# Altium PCB GBA_V1.PcbDoc (part 2 of 4) (continued)
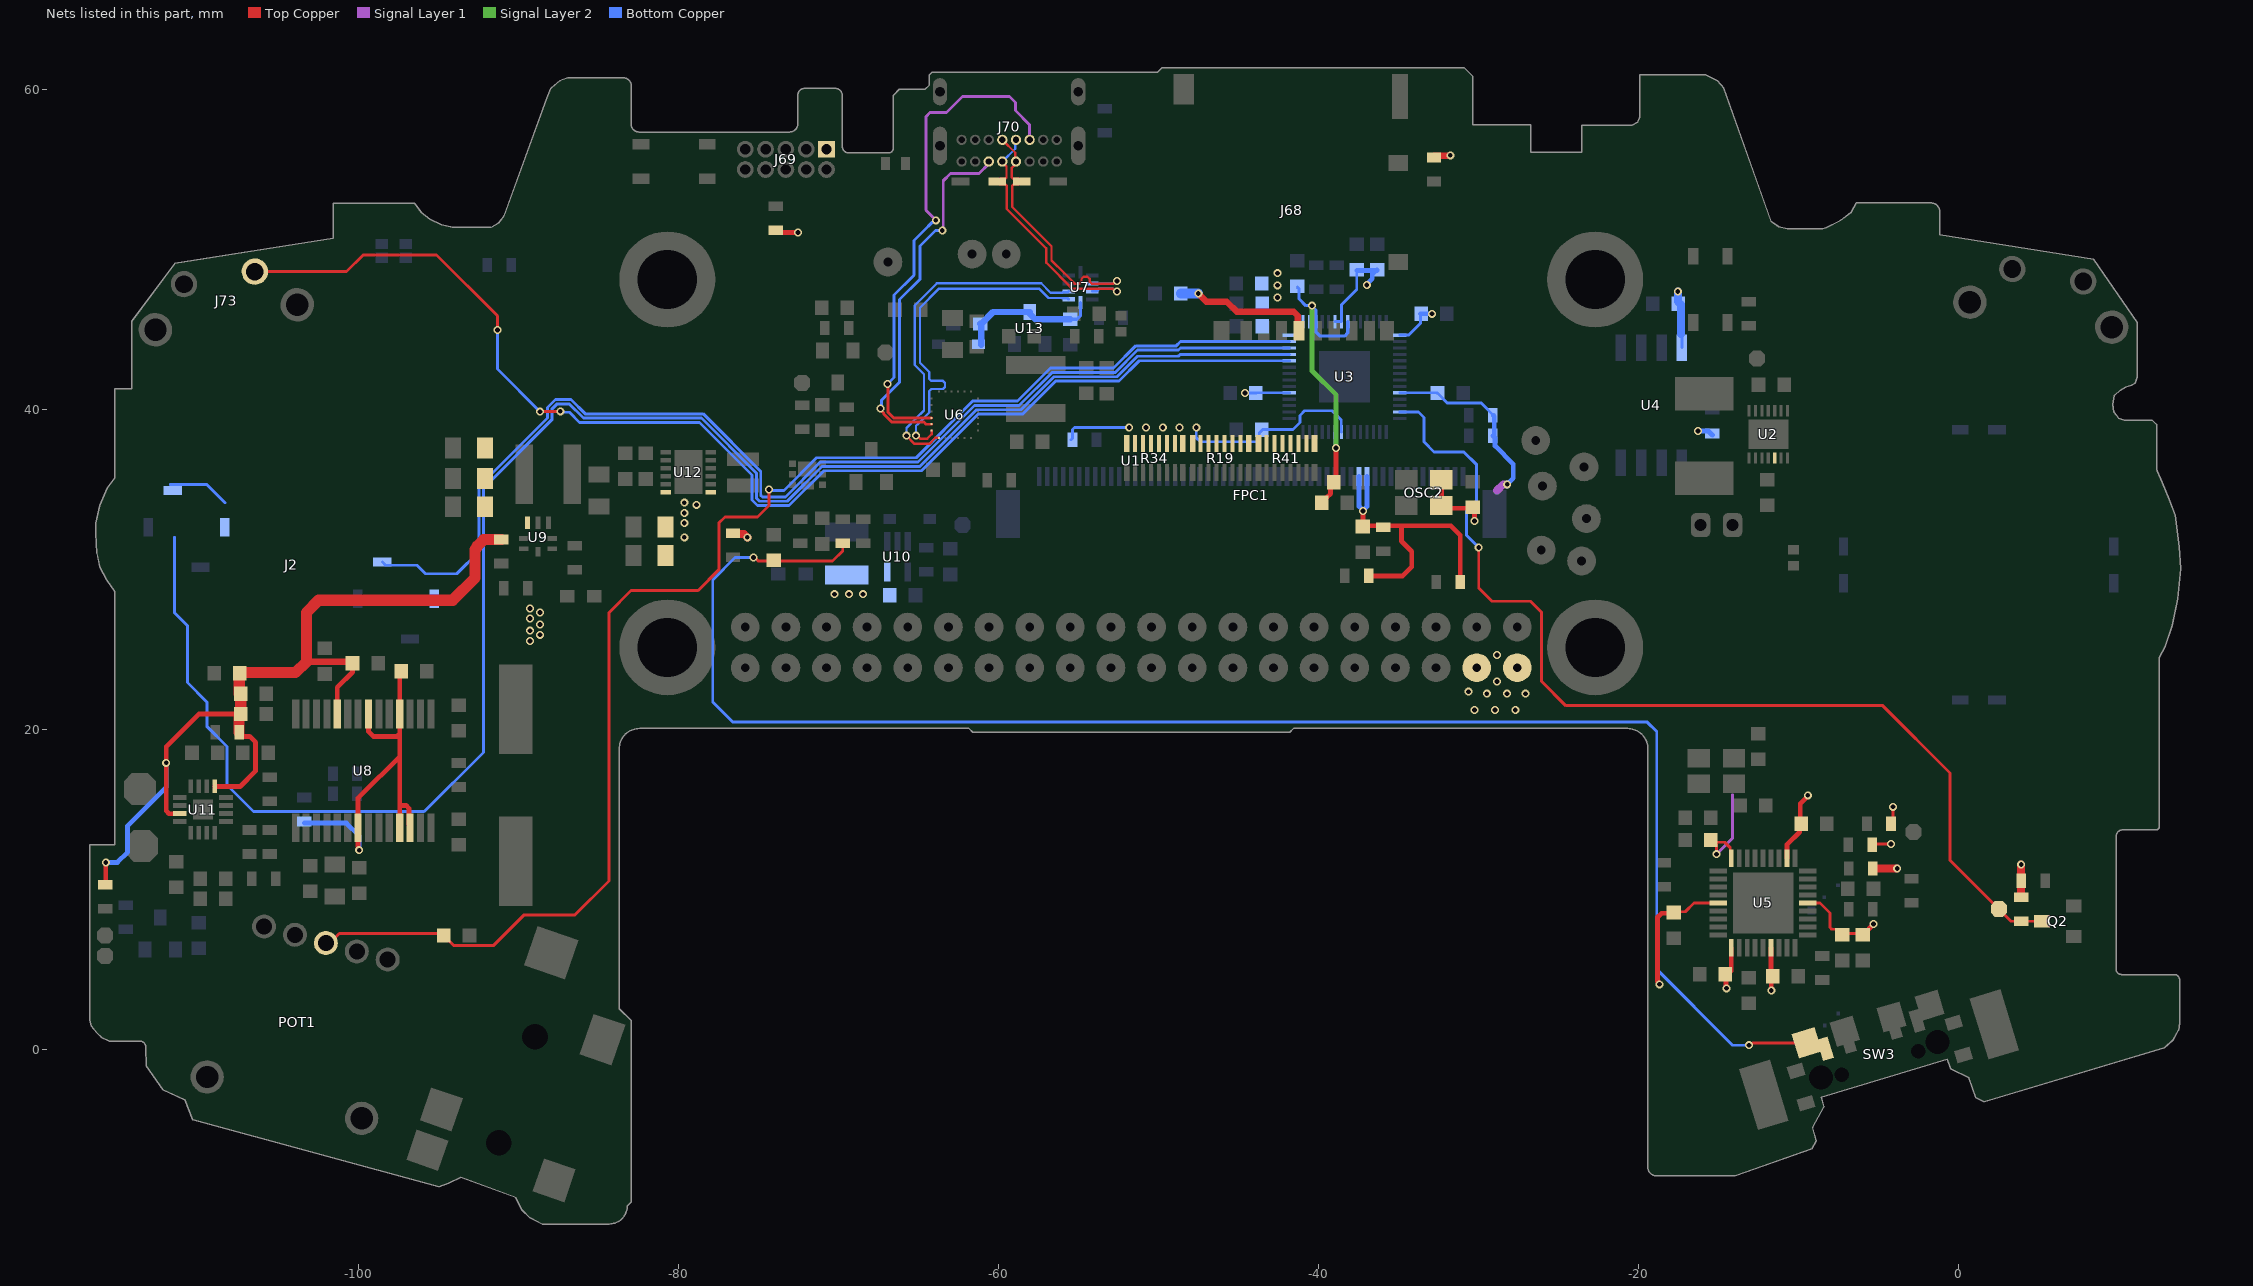
[diagram p4: the nets of this part, all layers, seen from the top]
## Part data (continued)
L5: library part CBC3225T100KR, "Fixed Inductors 1210 10uH 172.9mOhms +/-10% 900mA HiCur", Case Code (Imperial)=1210, Case Code (Metric)=3225, Current Rating=900mA, DC Resistance (DCR)=133mR, Inductance=10uH, Inductance Tolerance=10%, Manufacturer="Taiyo Yuden", Max Operating Temperature=105°C, Min Operating Temperature=-40°C, Package Quantity=1000, Self Resonant Frequency=23MHz, Supplier Part Number 1=963-CBC3225T100KR, Test Frequency=100kHz, Case/Package=1210, ComponentLink1Description=https://datasheet.ciiva.com/26871/getdatasheetpartid-637483-26871170.pdf?src-supplier=Verical, ComponentLink1URL=https://datasheet.ciiva.com/26871/getdatasheetpartid-637483-26871170.pdf?src-supplier=Verical, ComponentLink2Description=https://datasheet.ciiva.com/6701/cbc3225t100kr-ss-6701092.pdf?src-supplier=Digi-Key, ComponentLink2URL=https://datasheet.ciiva.com/6701/cbc3225t100kr-ss-6701092.pdf?src-supplier=Digi-Key, Composition=Wirewound, Core Material=Ferrite, DC Current=900mA, Depth=2.7mm, Halogen Free="Halogen Free", Height=2.5mm, Height - Seated (Max)=0.106inch, Lead Free="Lead Free", Length=0.126inch, Manufacturer Part Number=CBC3225T100KR, Max DC Current=900mA, Military Standard=Not, Mount="Surface Mount", Packaging="Tape and Reel", Pricing 1="1 = 0,25000, 10 = 0,22100, 50 = 0,22100, 100 = 0,15200, 1000 = 0,10200, 10000 = 0,07700 (USD)", Radiation Hardening=No, REACH SVHC=Unknown, RoHS=Yes, Saturation Current=900mA, Shielding=Unshielded, Stock 1=98328, Supplier 1=Mouser, Termination=SMD/SMT, Tolerance=10%, Width=2.5mm
OSC1: library part ABLS-12.000MHZ-B4-T, "CRYSTAL 12.0000MHZ 18PF SMD", Case/Package=SMD/SMT, ESR (Equivalent Series Resistance)=50R, Frequency=12MHz, Frequency Stability=50ppm, Frequency Tolerance=30ppm, Load Capacitance=18pF, Manufacturer=Abracon, Max Operating Temperature=70°C, Min Operating Temperature=-20°C, Package Quantity=1000, Supplier Part Number 1=815-ABLS-12.0M-T, ComponentLink1Description=https://datasheet.ciiva.com/15116/getdatasheetpartid-719931-15116807.pdf?src-supplier=Verical, ComponentLink1URL=https://datasheet.ciiva.com/15116/getdatasheetpartid-719931-15116807.pdf?src-supplier=Verical, ComponentLink2Description=https://datasheet.ciiva.com/854/abls-854132.pdf?src-supplier=Digi-Key, ComponentLink2URL=https://datasheet.ciiva.com/854/abls-854132.pdf?src-supplier=Digi-Key, ComponentLink3Description=https://datasheet.ciiva.com/854/abls-854133.pdf?src-supplier=Digi-Key, ComponentLink3URL=https://datasheet.ciiva.com/854/abls-854133.pdf?src-supplier=Digi-Key, ComponentLink4Description=https://datasheet.ciiva.com/854/abls-854134.pdf?src-supplier=Digi-Key, ComponentLink4URL=https://datasheet.ciiva.com/854/abls-854134.pdf?src-supplier=Digi-Key, ComponentLink5Description=https://datasheet.ciiva.com/16339/abls-16339801.pdf?src-supplier=Future+Electronics, ComponentLink5URL=https://datasheet.ciiva.com/16339/abls-16339801.pdf?src-supplier=Future+Electronics, ComponentLink6Description=https://datasheet.ciiva.com/3174/abls-3174254.pdf?src-supplier=Avnet, ComponentLink6URL=https://datasheet.ciiva.com/3174/abls-3174254.pdf?src-supplier=Avnet, ComponentLink7Description=https://datasheet.ciiva.com/4944/abls-44621-4944814.pdf?src-supplier=Mouser, ComponentLink7URL=https://datasheet.ciiva.com/4944/abls-44621-4944814.pdf?src-supplier=Mouser, Depth=4.7mm, Height=0.165inch, Lead Free="Lead Free", Length=11.4mm, Manufacturer Part Number=ABLS-12.000MHZ-B4-T, Mount="Surface Mount", Packaging="Tape and Reel", Pricing 1="1 = 0,27000, 10 = 0,22500, 50 = 0,20400, 100 = 0,20400, 1000 = 0,16300, 10000 = 0,14500 (USD)", Radiation Hardening=No, REACH SVHC=Yes, RoHS=Yes, Series Resistance=50R, Stock 1=9442, Supplier 1=Mouser, Termination=SMD/SMT, Tolerance=30ppm, Width=0.185inch
OSC2: library part ECS-3225MV-120-BN-TR, "Oscillator XO 12MHz ±50ppm 15pF HCMOS 55% 1.8V/2.5V/3.3V 4-Pin Mini-CSMD T/R", Case/Package=SMD/SMT, Frequency=12MHz, Frequency Stability=50ppm, Manufacturer="ECS International", Max Operating Temperature=85°C, Max Supply Current=4mA, Min Operating Temperature=-40°C, Supplier Part Number 1=520-3225MV-120-BNT, Category=Oscillators, ComponentLink1Description=https://www.ecsxtal.com/store/pdf/ECS-3225MV.pdf?src-supplier=Digi-Key, ComponentLink1URL=https://www.ecsxtal.com/store/pdf/ECS-3225MV.pdf?src-supplier=Digi-Key, Manufacturer Part Number=ECS-3225MV-120-BN-TR, Mount="Surface Mount", Packaging="Cut Tape", Pricing 1="1=1,21, 10=0,999, 50=0,999, 100=0,883, 1000=0,688, 10000=0,627 (USD)", RoHS=Yes, Series=ECS-3225MV, Stock 1=3580, Supplier 1=Mouser
OSC3: library part TSX-322524.0000MF15X-AC3, "CRYSTAL 24.0000MHZ 9PF SMD", Case/Package=SMD/SMT, ESR (Equivalent Series Resistance)=40R, Frequency=24MHz, Frequency Stability=15ppm, Frequency Tolerance=10ppm, Load Capacitance=9pF, Manufacturer 1=Epson, Max Operating Temperature=85°C, Min Operating Temperature=-40°C, Package Quantity=250, Supplier Part Number 1=732-TX325-24F15X-AC3, ComponentLink1Description=https://support.epson.biz/td/api/doc_check.php?dl=brief_TSX-3225&lang=en&src-supplier=Digi-Key, ComponentLink1URL=https://support.epson.biz/td/api/doc_check.php?dl=brief_TSX-3225&lang=en&src-supplier=Digi-Key, ComponentLink2Description=http://www5.epsondevice.com/en/products/crystal_unit/tsx3225.html#?src-supplier=Mouser, ComponentLink2URL=http://www5.epsondevice.com/en/products/crystal_unit/tsx3225.html#?src-supplier=Mouser, ComponentLink3Description=https://www5.epsondevice.com/en/information/support/pdf/june_2018_psc_masterbook.pdf?src-supplier=Digi-Key, ComponentLink3URL=https://www5.epsondevice.com/en/information/support/pdf/june_2018_psc_masterbook.pdf?src-supplier=Digi-Key, Height=0.024inch, Lead Free="Lead Free", Length=0.126inch, Manufacturer Part Number 1=TSX-322524.0000MF15X-AC3, Mount="Surface Mount", Packaging="Tape and Reel", Pricing 1="1=0.34000, 10=0.27500, 50=0.24800, 100=0.22000, 500=0.19300, 1000=0.17600, 2000=0.16500, 5000=0.16000, 10000=0.15400 (USD)", RoHS=Yes, Stock 1=68237, Supplier 1=Mouser, Termination=SMD/SMT, Tolerance=10ppm, Weight=0.000564oz, Width=0.098inch
POT1: library part RK10J11E0034, "Res POT 10K Ohm 30% 3/100W 1(Elec)/1(Mech)Turn (14 X 13 X 3.8mm) Pin Thru-Hole", Manufacturer="Alps Electric", Max Operating Temperature=60°C, Min Operating Temperature=-10°C, Package Quantity=10, Resistance=10kR, Resistor Type=Potentiometer, Supplier Part Number 1=688-RK10J11E0034, Tolerance=30%, Voltage Rating (AC)=50V, Voltage Rating (DC)=20V, Category="Variable Resistors and Potentiometers", ComponentLink1Description=https://datasheet.ciiva.com/26939/getdatasheetpartid-664944-26939906.pdf?src-supplier=Verical, ComponentLink1URL=https://datasheet.ciiva.com/26939/getdatasheetpartid-664944-26939906.pdf?src-supplier=Verical, Depth=13mm, Length=14mm, Manufacturer Part Number=RK10J11E0034, Military Standard=Not, Mount="Through Hole", Number of Turns=1, Packaging=Tray, Pricing 1="1=2,50000, 10=2,20000, 50=2,20000, 100=1,82000, 1000=1,29000, 10000=1,07000 (USD)", Radiation Hardening=No, RoHS=Yes, RoHS Compliant=Yes, Series=RK10J, Stock 1=188, Supplier 1=Mouser, Taper=Linear, Termination=Pin, Type=Potentiometer
Q1: library part DMP1009UFDF-7, "MOSFET P-CH 12V 15A UDFN2020-6", Manufacturer=Diodes, Supplier Part Number 1=621-DMP1009UFDF-7, ComponentLink1Description=https://www.diodes.com/assets/Datasheets/DMP1009UFDF.pdf?src-supplier=Digi-Key, ComponentLink1URL=https://www.diodes.com/assets/Datasheets/DMP1009UFDF.pdf?src-supplier=Digi-Key, Manufacturer Part Number=DMP1009UFDF-7, Pricing 1="1 = 0,43000, 10 = 0,36100, 50 = 0,36100, 100 = 0,22000, 1000 = 0,17000, 10000 = 0,14500 (USD)", RoHS=No, Stock 1=2267, Supplier 1=Mouser
Q2 Q4 Q5: library part RK7002BMT116, "MOSFET N-CH 60V 0.25A SST3", Case/Package=TO-236-3, Continuous Drain Current (ID)=250mA, Drain to Source Breakdown Voltage=60V, Drain to Source Resistance=1.7R, Gate to Source Voltage (Vgs)=20V, Input Capacitance=15pF, Manufacturer=Rohm, Max Operating Temperature=150°C, Max Power Dissipation=200mW, Package Quantity=3000, Supplier Part Number 1=755-RK7002BMT116, Drain to Source Voltage (Vdss)=60V, Fall Time=28ns, FET Type="1 N-Channel", Lead Free="Lead Free", Manufacturer Part Number=RK7002BMT116, Mount="Surface Mount", Number of Channels=1, Packaging="Tape and Reel", Pricing 1="1=0.15, 10=0.133, 50=0.133, 100=0.047, 1000=0.031, 10000=0.021 (USD)", Rds On Max=2.4R, Rise Time=5ns, Stock 1=237072, Supplier 1=Mouser, Turn-Off Delay Time=18ns, Turn-On Delay Time=3.5ns
Q3: library part RK7002BMT116, "MOSFET N-CH 60V 0.25A SST3", Case/Package=TO-236-3, Continuous Drain Current (ID)=250mA, Drain to Source Breakdown Voltage=60V, Drain to Source Resistance=1.7R, Gate to Source Voltage (Vgs)=20V, Input Capacitance=15pF, Manufacturer=Diodes, Manufacturer Part Number=DMN5L06K-7, Max Operating Temperature=150°C, Max Power Dissipation=200mW, Package Quantity=3000, Supplier Part Number 1=621-DMN5L06K-7, Drain to Source Voltage (Vdss)=60V, Fall Time=28ns, FET Type="1 N-Channel", Lead Free="Lead Free", Mount="Surface Mount", Number of Channels=1, Packaging="Tape and Reel", Pricing 1="1=0.15, 10=0.133, 50=0.133, 100=0.047, 1000=0.031, 10000=0.021 (USD)", Rds On Max=2.4R, Rise Time=5ns, Stock 1=237072, Supplier 1=Mouser, Turn-Off Delay Time=18ns, Turn-On Delay Time=3.5ns
R1 R2 R4 R5 R12 R20 R22 R27 R29 R36 R44 R53: library part RC0603FR-0710KL, "RES SMD 10K OHM 1% 1/10W 0603", Manufacturer=Yageo, Operating Temperature="-55°C ~ 155°C", Package / Case="0603 (1608 Metric)", Power (Watts)="0.1W, 1/10W", Supplier Device Package=0603, Supplier Part Number 1=311-10.0KHRCT-ND, Temperature Coefficient=±100ppm/°C, Tolerance=±1%, Category=Resistors, ComponentLink1Description=http://www.yageo.com/documents/recent/PYu-RC_Group_51_RoHS_L_8.pdf, ComponentLink1URL=http://www.yageo.com/documents/recent/PYu-RC_Group_51_RoHS_L_8.pdf, Composition="Thick Film", Failure Rate=-, Features="Moisture Resistant", Height - Seated (Max)="0.022\" (0.55mm)", Manufacturer Part Number=RC0603FR-0710KL, Packaging="Cut Tape (CT)", Part Status=Active, Pricing 1="1=0.08, 10=0.013, 100=0.005, 1000=0.00224, 2500=0.00195 (EUR)", RoHS="RoHS Compliant", Size / Dimension="0.063\" L x 0.032\" W (1.60mm x 0.80mm)", Stock 1=47851285, Supplier 1=Digi-Key
R3: library part RC0603FR-071KL, "RES SMD 1K OHM 1% 1/10W 0603", Manufacturer=Yageo, Operating Temperature="-55°C ~ 155°C", Package / Case="0603 (1608 Metric)", Power (Watts)="0.1W, 1/10W", Supplier Device Package=0603, Supplier Part Number 1=311-1.00KHRCT-ND, Temperature Coefficient=±100ppm/°C, Tolerance=±1%, Category=Resistors, ComponentLink1Description=http://www.yageo.com/documents/recent/PYu-RC_Group_51_RoHS_L_8.pdf, ComponentLink1URL=http://www.yageo.com/documents/recent/PYu-RC_Group_51_RoHS_L_8.pdf, Composition="Thick Film", Failure Rate=-, Features="Moisture Resistant", Height - Seated (Max)="0.022\" (0.55mm)", Manufacturer Part Number=RC0603FR-071KL, Packaging="Cut Tape (CT)", Part Status=Active, Pricing 1="1=0.08, 10=0.013, 100=0.005, 1000=0.00224, 2500=0.00195 (EUR)", RoHS="RoHS Compliant", Size / Dimension="0.063\" L x 0.032\" W (1.60mm x 0.80mm)", Stock 1=8170163, Supplier 1=Digi-Key
R6 R8 R9 R10 R23 R25 R30 R31 R35 R51: library part RC0603FR-07100KL, "RES SMD 100K OHM 1% 1/10W 0603", Manufacturer=Yageo, Operating Temperature="-55°C ~ 155°C", Package / Case="0603 (1608 Metric)", Power (Watts)="0.1W, 1/10W", Supplier Device Package=0603, Supplier Part Number 1=311-100KHRCT-ND, Temperature Coefficient=±100ppm/°C, Tolerance=±1%, Category=Resistors, ComponentLink1Description=http://www.yageo.com/documents/recent/PYu-RC_Group_51_RoHS_L_8.pdf, ComponentLink1URL=http://www.yageo.com/documents/recent/PYu-RC_Group_51_RoHS_L_8.pdf, Composition="Thick Film", Failure Rate=-, Features="Moisture Resistant", Height - Seated (Max)="0.022\" (0.55mm)", Manufacturer Part Number=RC0603FR-07100KL, Packaging="Cut Tape (CT)", Part Status=Active, Pricing 1="1=0.08, 10=0.013, 100=0.005, 1000=0.00224, 2500=0.00195 (EUR)", RoHS="RoHS Compliant", Size / Dimension="0.063\" L x 0.032\" W (1.60mm x 0.80mm)", Stock 1=6298016, Supplier 1=Digi-Key
R7: library part RC0603FR-0712KL, "RES SMD 12K OHM 1% 1/10W 0603", Case Code (Imperial)=0603, Case Code (Metric)=1608, Manufacturer=Yageo, Max Operating Temperature=155°C, Max Power Dissipation=100mW, Min Operating Temperature=-55°C, Package Quantity=1, Resistance=12kR, Supplier Part Number 1=603-RC0603FR-0712KL, Temperature Coefficient=100ppm/°C, Tolerance=1%, Voltage Rating=50V, Case/Package=0603, ComponentLink1Description=http://documents.rs-components.com/techlib://itc_doclist_GB.htm?stockno=5049218, ComponentLink1URL=http://documents.rs-components.com/techlib://itc_doclist_GB.htm?stockno=5049218, ComponentLink2Description=http://www.yageo.com/documents/recent/PYu-RC_Group_51_RoHS_L_10.pdf, ComponentLink2URL=http://www.yageo.com/documents/recent/PYu-RC_Group_51_RoHS_L_10.pdf, ComponentLink3Description=http://www.farnell.com/datasheets/1868787.pdf, ComponentLink3URL=http://www.farnell.com/datasheets/1868787.pdf, ComponentLink4Description=http://www.farnell.com/datasheets/443971.pdf, ComponentLink4URL=http://www.farnell.com/datasheets/443971.pdf, ComponentLink5Description=http://www.yageo.com/documents/recent/PYu-RC_Group_51_RoHS_L_9.pdf, ComponentLink5URL=http://www.yageo.com/documents/recent/PYu-RC_Group_51_RoHS_L_9.pdf, Composition="Thick Film", Depth=0.8mm, Features="Moisture Resistant", Height=0.022inch, Lead Free="Lead Free", Length=0.063inch, Manufacturer Part Number=RC0603FR-0712KL, Military Standard=Not, Number of Pins=2, Number of Terminations=2, Packaging="Tape and Reel", Power Rating=100mW, Pricing 1="1=0.1, 10=0.018, 50=0.018, 100=0.006, 1000=0.005, 10000=0.003 (USD)", REACH SVHC="No SVHC", Stock 1=535615, Supplier 1=Mouser, Termination=SMD/SMT, Voltage Rating (DC)=50V, Width=0.031inch
R11: library part RC0603FR-1024K9L, "Res Thick Film 0603 24.9K Ohm 1% 1/10W ±100ppm/°C Molded SMD SMD Paper T/R", Case/Package=0603, Manufacturer=Yageo, Max Operating Temperature=155°C, Min Operating Temperature=-55°C, Resistance=24.9kR, Resistor Type="Thick Film", Supplier Part Number 1=603-RC0603FR-1024K9L, Temperature Coefficient=100ppm/°C, Tolerance=1%, Category="Chip SMD Resistors", ComponentLink1Description=http://www.yageo.com/documents/recent/PYu-RC0603_51_RoHS_L_5.pdf?src-supplier=Avnet+Europe, ComponentLink1URL=http://www.yageo.com/documents/recent/PYu-RC0603_51_RoHS_L_5.pdf?src-supplier=Avnet+Europe, ComponentLink2Description=http://www.yageo.com/documents/recent/PYu-RC_Group_51_RoHS_L_2.pdf?src-supplier=Avnet, ComponentLink2URL=http://www.yageo.com/documents/recent/PYu-RC_Group_51_RoHS_L_2.pdf?src-supplier=Avnet, Contact Plating=Tin,Matte, Manufacturer Part Number=RC0603FR-1024K9L, Pricing 1="1=0,10000, 10=0,01800, 50=0,01800, 100=0,00600, 1000=0,00500, 10000=0,00200 (USD)", Radiation Hardening=No, RoHS=Yes, RoHS Compliant=Yes, Stock 1=17782, Supplier 1=Mouser
R13 R14 R18: library part RC0603FR-071ML, "RES SMD 1M OHM 1% 1/10W 0603", Case Code (Imperial)=0603, Case Code (Metric)=1608, Manufacturer 1=Yageo, Max Operating Temperature=155°C, Min Operating Temperature=-55°C, Package Quantity=5000, Power Rating=100mW, Resistance=1MR, Supplier Part Number 1=311-1.00MHRDKR-ND, Temperature Coefficient=100ppm/°C, Tolerance=1%, Voltage Rating=50V, Case/Package=0603, ComponentLink1Description=https://datasheet.ciiva.com/11819/0900766b80f96399-11819295.pdf?src-supplier=RSComponents, ComponentLink1URL=https://datasheet.ciiva.com/11819/0900766b80f96399-11819295.pdf?src-supplier=RSComponents, ComponentLink2Description=https://datasheet.ciiva.com/7983/443971-7983614.pdf?src-supplier=Element14, ComponentLink2URL=https://datasheet.ciiva.com/7983/443971-7983614.pdf?src-supplier=Element14, ComponentLink3Description=https://datasheet.ciiva.com/12555/rc0603-272842-12555388.pdf?src-supplier=Mouser, ComponentLink3URL=https://datasheet.ciiva.com/12555/rc0603-272842-12555388.pdf?src-supplier=Mouser, Composition="Thick Film", Depth=0.8mm, Height=0.45mm, Lead Free="Lead Free", Length=1.6mm, Manufacturer Part Number 1=RC0603FR-071ML, Military Standard=Not, Number of Pins=2, Packaging="Tape and Reel", Pricing 1="1=0,10000, 10=0,02400, 100=0,00970, 1000=0,00437, 2500=0,00379 (USD)", REACH SVHC="No SVHC", RoHS=Yes, Stock 1=9751331, Supplier 1=Digi-Key, Termination=SMD/SMT, Voltage Rating (DC)=50V, Width=0.8mm
R15: library part RC0603FR-071K5L, "RES SMD 1.5K OHM 1% 1/10W 0603", Case Code (Imperial)=0603, Case Code (Metric)=1608, Manufacturer=Yageo, Max Operating Temperature=155°C, Max Power Dissipation=100mW, Min Operating Temperature=-55°C, Package Quantity=1, Resistance=1.5kR, Supplier Part Number 1=603-RC0603FR-071K5L, Temperature Coefficient=100ppm/°C, Tolerance=1%, Voltage Rating=50V, Case/Package=0603, ComponentLink1Description=https://datasheet.ciiva.com/2454/pyu-r-int-thick-7-2454513.pdf?src-supplier=Digi-Key, ComponentLink1URL=https://datasheet.ciiva.com/2454/pyu-r-int-thick-7-2454513.pdf?src-supplier=Digi-Key, ComponentLink2Description=https://datasheet.ciiva.com/2454/pyu-r-int-thick-7-2454514.pdf?src-supplier=Digi-Key, ComponentLink2URL=https://datasheet.ciiva.com/2454/pyu-r-int-thick-7-2454514.pdf?src-supplier=Digi-Key, ComponentLink3Description=https://datasheet.ciiva.com/2454/pyu-r-int-thick-7-2454515.pdf?src-supplier=Digi-Key, ComponentLink3URL=https://datasheet.ciiva.com/2454/pyu-r-int-thick-7-2454515.pdf?src-supplier=Digi-Key, ComponentLink4Description=https://datasheet.ciiva.com/46440/1868787-46440895.pdf?src-supplier=Element14, ComponentLink4URL=https://datasheet.ciiva.com/46440/1868787-46440895.pdf?src-supplier=Element14, Composition="Thick Film", Depth=0.8mm, Features="Moisture Resistant", Height=0.022inch, Lead Free="Lead Free", Length=0.063inch, Manufacturer Part Number=RC0603FR-071K5L, Military Standard=Not, Number of Pins=2, Number of Terminations=2, Packaging="Tape and Reel", Power Rating=100mW, Pricing 1="1 = 0,10000, 10 = 0,01800, 50 = 0,01800, 100 = 0,00600, 1000 = 0,00500, 10000 = 0,00300 (USD)", REACH SVHC="No SVHC", RoHS=Yes, Stock 1=1280962, Supplier 1=Mouser, Termination=SMD/SMT, Voltage Rating (DC)=50V, Width=0.031inch
R16 R17 R46 R47: library part RC0603FR-0722RL, "RES SMD 22 OHM 1% 1/10W 0603", Case Code (Imperial)=0603, Case Code (Metric)=1608, Manufacturer=Yageo, Max Operating Temperature=155°C, Max Power Dissipation=100mW, Min Operating Temperature=-55°C, Package Quantity=1, Resistance=22R, Supplier Part Number 1=603-RC0603FR-0722RL, Temperature Coefficient=100ppm/°C, Tolerance=1%, Voltage Rating=50V, Case/Package=0603, ComponentLink1Description=https://datasheet.ciiva.com/11819/0900766b80f96399-11819285.pdf?src-supplier=RSComponents, ComponentLink1URL=https://datasheet.ciiva.com/11819/0900766b80f96399-11819285.pdf?src-supplier=RSComponents, ComponentLink2Description=https://datasheet.ciiva.com/2454/pyu-r-int-thick-7-2454354.pdf?src-supplier=Digi-Key, ComponentLink2URL=https://datasheet.ciiva.com/2454/pyu-r-int-thick-7-2454354.pdf?src-supplier=Digi-Key, ComponentLink3Description=https://datasheet.ciiva.com/2454/pyu-r-int-thick-7-2454355.pdf?src-supplier=Digi-Key, ComponentLink3URL=https://datasheet.ciiva.com/2454/pyu-r-int-thick-7-2454355.pdf?src-supplier=Digi-Key, ComponentLink4Description=https://datasheet.ciiva.com/2454/pyu-r-int-thick-7-2454356.pdf?src-supplier=Digi-Key, ComponentLink4URL=https://datasheet.ciiva.com/2454/pyu-r-int-thick-7-2454356.pdf?src-supplier=Digi-Key, ComponentLink5Description=https://datasheet.ciiva.com/46440/1868787-46440901.pdf?src-supplier=Element14, ComponentLink5URL=https://datasheet.ciiva.com/46440/1868787-46440901.pdf?src-supplier=Element14, ComponentLink6Description=https://datasheet.ciiva.com/46395/443971-46395032.pdf?src-supplier=Element14, ComponentLink6URL=https://datasheet.ciiva.com/46395/443971-46395032.pdf?src-supplier=Element14, Composition="Thick Film", Depth=0.8mm, Features="Moisture Resistant", Height=0.022inch, Lead Free="Lead Free", Length=1.6mm, Manufacturer Part Number=RC0603FR-0722RL, Military Standard=Not, Number of Pins=2, Number of Terminations=2, Packaging="Tape and Reel", Power Rating=100mW, Pricing 1="1 = 0,10000, 10 = 0,01800, 50 = 0,01800, 100 = 0,00600, 1000 = 0,00500, 10000 = 0,00300 (USD)", REACH SVHC="No SVHC", RoHS=Yes, Stock 1=1162810, Supplier 1=Mouser, Termination=SMD/SMT, Voltage Rating (DC)=50V, Width=0.031inch
R19 R34 R41: library part YC248-JR-074K7L, "RES ARRAY 8 RES 4.7K OHM 1606", Case Code (Imperial)=0616, Case Code (Metric)=1640, Manufacturer 1=Yageo, Max Operating Temperature=155°C, Min Operating Temperature=-55°C, Number of Resistors=8, Package Quantity=1, Power Per Element=62.5mW, Resistance=4.7kR, Supplier Part Number 1=603-YC248-JR-074K7L, Temperature Coefficient=200ppm/°C, Tolerance=5%, Voltage Rating=50V, Case/Package=0616, Circuit Type=Isolated, ComponentLink1Description=https://datasheet.ciiva.com/8311/pyu-yc248-51-rohs-l-2-8311734.pdf?src-supplier=Avnet, ComponentLink1URL=https://datasheet.ciiva.com/8311/pyu-yc248-51-rohs-l-2-8311734.pdf?src-supplier=Avnet, ComponentLink2Description=https://datasheet.ciiva.com/28380/pyu-yc248-51-rohs-l-2-28380408.pdf?src-supplier=Avnet+Europe, ComponentLink2URL=https://datasheet.ciiva.com/28380/pyu-yc248-51-rohs-l-2-28380408.pdf?src-supplier=Avnet+Europe, ComponentLink3Description=https://datasheet.ciiva.com/2689/pyu-r-marking-2-2689433.pdf?src-supplier=Digi-Key, ComponentLink3URL=https://datasheet.ciiva.com/2689/pyu-r-marking-2-2689433.pdf?src-supplier=Digi-Key, ComponentLink4Description=https://datasheet.ciiva.com/2689/pyu-r-marking-2-2689434.pdf?src-supplier=Digi-Key, ComponentLink4URL=https://datasheet.ciiva.com/2689/pyu-r-marking-2-2689434.pdf?src-supplier=Digi-Key, ComponentLink5Description=https://datasheet.ciiva.com/2689/pyu-r-marking-2-2689435.pdf?src-supplier=Digi-Key, ComponentLink5URL=https://datasheet.ciiva.com/2689/pyu-r-marking-2-2689435.pdf?src-supplier=Digi-Key, ComponentLink6Description=https://datasheet.ciiva.com/8018/443139-8018062.pdf?src-supplier=Element14, ComponentLink6URL=https://datasheet.ciiva.com/8018/443139-8018062.pdf?src-supplier=Element14, ComponentLink7Description=https://datasheet.ciiva.com/8018/443139-8018063.pdf?src-supplier=Element14, ComponentLink7URL=https://datasheet.ciiva.com/8018/443139-8018063.pdf?src-supplier=Element14, Depth=1.6mm, Height=0.022inch, Lead Free="Lead Free", Length=0.157inch, Manufacturer Part Number 1=YC248-JR-074K7L, Military Standard=Not, Mount="Surface Mount", Number of Circuits=8, Number of Contacts=16, Number of Elements=8, Number of Pins=16, Number of Terminals=16, Packaging="Tape and Reel", Pricing 1="1=0,31000, 10=0,19200, 100=0,06500, 1000=0,04400, 5000=0,03300, 10000=0,03100, 25000=0,02900, 50000=0,02800 (USD)", Radiation Hardening=No, REACH SVHC=Unknown, RoHS=Yes, Stock 1=7603, Supplier 1=Mouser, Terminal Pitch=0.5mm, Termination=Convex, Width=0.063inch
R21 R57: library part RC0603FR-0720KL, "RES SMD 20K OHM 1% 1/10W 0603", Case Code (Imperial)=0603, Case Code (Metric)=1608, Manufacturer 1=Yageo, Max Operating Temperature=155°C, Max Power Dissipation=100mW, Min Operating Temperature=-55°C, Package Quantity=1, Resistance=20kR, Supplier Part Number 1=603-RC0603FR-0720KL, Temperature Coefficient=100ppm/°C, Tolerance=1%, Voltage Rating=50V, Case/Package=0603, Category="Chip SMD Resistors", ComponentLink1Description=https://datasheet.ciiva.com/11808/0900766b80f96399-11808275.pdf?src-supplier=RSComponents, ComponentLink1URL=https://datasheet.ciiva.com/11808/0900766b80f96399-11808275.pdf?src-supplier=RSComponents, ComponentLink2Description=https://datasheet.ciiva.com/22747/443971-22747525.pdf?src-supplier=Element14, ComponentLink2URL=https://datasheet.ciiva.com/22747/443971-22747525.pdf?src-supplier=Element14, ComponentLink3Description=https://datasheet.ciiva.com/2453/pyu-r-int-thick-7-2453910.pdf?src-supplier=Digi-Key, ComponentLink3URL=https://datasheet.ciiva.com/2453/pyu-r-int-thick-7-2453910.pdf?src-supplier=Digi-Key, ComponentLink4Description=https://datasheet.ciiva.com/2453/pyu-r-int-thick-7-2453911.pdf?src-supplier=Digi-Key, ComponentLink4URL=https://datasheet.ciiva.com/2453/pyu-r-int-thick-7-2453911.pdf?src-supplier=Digi-Key, ComponentLink5Description=https://datasheet.ciiva.com/2453/pyu-r-int-thick-7-2453912.pdf?src-supplier=Digi-Key, ComponentLink5URL=https://datasheet.ciiva.com/2453/pyu-r-int-thick-7-2453912.pdf?src-supplier=Digi-Key, Composition="Thick Film", Depth=0.8mm, Features="Moisture Resistant", Height=0.022inch, Lead Free="Lead Free", Length=0.063inch, Manufacturer Part Number 1=RC0603FR-0720KL, Military Standard=Not, Number of Pins=2, Number of Terminations=2, Packaging="Tape and Reel", Power Rating=100mW, Pricing 1="1=0,10000, 10=0,01800, 100=0,00600, 1000=0,00500, 5000=0,00300, 10000=0,00300 (USD)", REACH SVHC="No SVHC", RoHS=Yes, Stock 1=754329, Supplier 1=Mouser, Termination=SMD/SMT, Voltage Rating (DC)=50V, Width=0.031inch
R24: library part RC0603FR-0749K9L, "RES SMD 49.9K OHM 1% 1/10W 0603", Case Code (Imperial)=0603, Case Code (Metric)=1608, Manufacturer=Yageo, Max Operating Temperature=155°C, Max Power Dissipation=100mW, Min Operating Temperature=-55°C, Package Quantity=1, Resistance=49.9kR, Supplier Part Number 1=603-RC0603FR-0749K9L, Temperature Coefficient=100ppm/°C, Tolerance=1%, Voltage Rating=50V, Case/Package=0603, ComponentLink1Description=http://documents.rs-components.com/techlib://itc_doclist_GB.htm?stockno=5047537, ComponentLink1URL=http://documents.rs-components.com/techlib://itc_doclist_GB.htm?stockno=5047537, ComponentLink2Description=https://www.verical.com/server-webapp/html/getDatasheet?partID=323805, ComponentLink2URL=https://www.verical.com/server-webapp/html/getDatasheet?partID=323805, ComponentLink3Description=http://www.yageo.com/documents/recent/PYu-RC_Group_51_RoHS_L_10.pdf, ComponentLink3URL=http://www.yageo.com/documents/recent/PYu-RC_Group_51_RoHS_L_10.pdf, ComponentLink4Description=http://www.yageo.com/documents/recent/PYu-RC_Group_51_RoHS_L_9.pdf, ComponentLink4URL=http://www.yageo.com/documents/recent/PYu-RC_Group_51_RoHS_L_9.pdf, Composition="Thick Film", Depth=0.8mm, Features="Moisture Resistant", Height=0.022inch, Lead Free="Lead Free", Length=0.063inch, Manufacturer Part Number=RC0603FR-0749K9L, Military Standard=Not, Mount="Surface Mount", Number of Terminations=2, Packaging="Tape and Reel", Power Rating=100mW, Pricing 1="1=0.1, 10=0.018, 50=0.018, 100=0.006, 1000=0.005, 10000=0.003 (USD)", Stock 1=800929, Supplier 1=Mouser, Termination=SMD/SMT, Voltage Rating (DC)=50V, Width=0.031inch
R26: library part RC0603FR-07200RL, "RES SMD 200 OHM 1% 1/10W 0603", Case Code (Imperial)=0603, Case Code (Metric)=1608, Manufacturer=Yageo, Max Operating Temperature=155°C, Max Power Dissipation=100mW, Min Operating Temperature=-55°C, Package Quantity=5000, Resistance=200R, Resistance Tolerance=1%, Resistor Type="Thick Film", Supplier Part Number 1=603-RC0603FR-07200RL, Temperature Coefficient=100ppm/°C, Voltage Rating=50V, Working Voltage=75V, Case/Package=0603, Category="Chip SMD Resistors", ComponentLink1Description=https://datasheet.ciiva.com/11809/0900766b80f96399-11809240.pdf?src-supplier=RSComponents, ComponentLink1URL=https://datasheet.ciiva.com/11809/0900766b80f96399-11809240.pdf?src-supplier=RSComponents, ComponentLink2Description=https://datasheet.ciiva.com/46395/443971-46395029.pdf?src-supplier=Element14, ComponentLink2URL=https://datasheet.ciiva.com/46395/443971-46395029.pdf?src-supplier=Element14, Construction=Rectangular, Depth=0.8mm, Features="Moisture Resistant", Height=0.45mm, Lead Free="Lead Free", Length=1.6mm, Manufacturer Part Number=RC0603FR-07200RL, Military Standard=Not, Number of Pins=2, Number of Terminations=2, Packaging="Tape and Reel", Power Rating=100mW, Pricing 1="1=0,10000, 10=0,01700, 50=0,01700, 100=0,00700, 1000=0,00400, 10000=0,00200 (USD)", Reach SVHC Compliant=Yes, RoHS=Yes, RoHS Compliant=Yes, Series=RC, Stock 1=516076, Supplier 1=Mouser, Technology="THICK FILM", Termination=SMD/SMT, Tolerance=1%, Voltage Rating (DC)=50V, Width=0.8mm
R28: library part RC0603FR-073KL, "RES SMD 3K OHM 1% 1/10W 0603", Case Code (Imperial)=0603, Case Code (Metric)=1608, Manufacturer=Yageo, Max Operating Temperature=155°C, Min Operating Temperature=-55°C, Power Rating=100mW, Resistance=3kR, Supplier Part Number 1=603-RC0603FR-073KL, Temperature Coefficient=100ppm/°C, Tolerance=1%, Voltage Rating=50V, Case/Package=0603, Composition="Thick Film", Depth=0.8mm, Lead Free="Lead Free", Length=1.6mm, Manufacturer Part Number=RC0603FR-073KL, Military Standard=Not, Number of Pins=2, Packaging="Tape and Reel", Pricing 1="1=0.1, 10=0.018, 50=0.018, 100=0.006, 1000=0.005, 10000=0.003 (USD)", REACH SVHC="No SVHC", Stock 1=1106273, Supplier 1=Mouser, Termination=SMD/SMT, Voltage Rating (DC)=50V, Width=800um
R32: library part RC0603FR-07300KL, "RES SMD 300K OHM 1% 1/10W 0603", Case Code (Imperial)=0603, Case Code (Metric)=1608, Manufacturer=Yageo, Max Operating Temperature=155°C, Max Power Dissipation=100mW, Min Operating Temperature=-55°C, Package Quantity=1, Resistance=300kR, Supplier Part Number 1=603-RC0603FR-07300KL, Temperature Coefficient=100ppm/°C, Tolerance=1%, Voltage Rating=50V, Case/Package=0603, ComponentLink1Description=http://www.yageo.com/documents/recent/PYu-RC_Group_51_RoHS_L_9.pdf?src-supplier=Digi-Key, ComponentLink1URL=http://www.yageo.com/documents/recent/PYu-RC_Group_51_RoHS_L_9.pdf?src-supplier=Digi-Key, ComponentLink2Description=http://www.yageo.com/documents/recent/PYu-RC_Group_51_RoHS_L_10.pdf?src-supplier=Digi-Key, ComponentLink2URL=http://www.yageo.com/documents/recent/PYu-RC_Group_51_RoHS_L_10.pdf?src-supplier=Digi-Key, ComponentLink3Description=https://www.verical.com/server-webapp/html/getDatasheet?partID=348071&src-supplier=Verical, ComponentLink3URL=https://www.verical.com/server-webapp/html/getDatasheet?partID=348071&src-supplier=Verical, Composition="Thick Film", Depth=0.8mm, Features="Moisture Resistant", Height=0.022inch, Lead Free="Lead Free", Length=0.063inch, Manufacturer Part Number=RC0603FR-07300KL, Military Standard=Not, Mount="Surface Mount", Number of Terminations=2, Packaging="Tape and Reel", Power Rating=100mW, Pricing 1="1=0.1, 10=0.018, 50=0.018, 100=0.006, 1000=0.005, 10000=0.003 (USD)", Stock 1=97844, Supplier 1=Mouser, Termination=SMD/SMT, Voltage Rating (DC)=50V, Width=0.031inch
R38: library part RC0603FR-07470RL, "RES SMD 470 OHM 1% 1/10W 0603", Manufacturer=Yageo, Operating Temperature="-55°C ~ 155°C", Package / Case="0603 (1608 Metric)", Power (Watts)="0.1W, 1/10W", Supplier Device Package=0603, Supplier Part Number 1=311-470HRCT-ND, Temperature Coefficient=±100ppm/°C, Tolerance=±1%, Category=Resistors, ComponentLink1Description=http://www.yageo.com/documents/recent/PYu-RC_Group_51_RoHS_L_8.pdf, ComponentLink1URL=http://www.yageo.com/documents/recent/PYu-RC_Group_51_RoHS_L_8.pdf, Composition="Thick Film", Failure Rate=-, Features="Moisture Resistant", Height - Seated (Max)="0.022\" (0.55mm)", Manufacturer Part Number=RC0603FR-07470RL, Packaging="Cut Tape (CT)", Part Status=Active, Pricing 1="1=0.08, 10=0.013, 100=0.005, 1000=0.00224, 2500=0.00195 (EUR)", RoHS="RoHS Compliant", Size / Dimension="0.063\" L x 0.032\" W (1.60mm x 0.80mm)", Stock 1=2343200, Supplier 1=Digi-Key
R39 R40 R45 R48 R49 R50 R52: library part RC0603FR-074K7L, "RES SMD 4.7K OHM 1% 1/10W 0603", Case Code (Imperial)=0603, Case Code (Metric)=1608, Manufacturer=Yageo, Max Operating Temperature=155°C, Min Operating Temperature=-55°C, Power Rating=100mW, Resistance=4.7kR, Supplier Part Number 1=603-RC0603FR-074K7L, Temperature Coefficient=100ppm/°C, Tolerance=1%, Voltage Rating=50V, Case/Package=0603, ComponentLink1Description=https://datasheet.ciiva.com/15189/getdatasheetpartid-422754-15189760.pdf?src-supplier=Verical, ComponentLink1URL=https://datasheet.ciiva.com/15189/getdatasheetpartid-422754-15189760.pdf?src-supplier=Verical, ComponentLink2Description=https://datasheet.ciiva.com/22747/443971-22747528.pdf?src-supplier=Element14, ComponentLink2URL=https://datasheet.ciiva.com/22747/443971-22747528.pdf?src-supplier=Element14, ComponentLink3Description=https://datasheet.ciiva.com/7660/38590-7660794.pdf?src-supplier=Element14, ComponentLink3URL=https://datasheet.ciiva.com/7660/38590-7660794.pdf?src-supplier=Element14, ComponentLink4Description=https://datasheet.ciiva.com/7746/1868787-7746365.pdf?src-supplier=Element14, ComponentLink4URL=https://datasheet.ciiva.com/7746/1868787-7746365.pdf?src-supplier=Element14, ComponentLink5Description=https://datasheet.ciiva.com/46440/1868787-46440909.pdf?src-supplier=Element14, ComponentLink5URL=https://datasheet.ciiva.com/46440/1868787-46440909.pdf?src-supplier=Element14, ComponentLink6Description=https://datasheet.ciiva.com/7746/1738695-7746366.pdf?src-supplier=Element14, ComponentLink6URL=https://datasheet.ciiva.com/7746/1738695-7746366.pdf?src-supplier=Element14, Composition="Thick Film", Depth=0.8mm, Height=0.45mm, Lead Free="Lead Free", Lead Pitch=0.3mm, Length=1.6mm, Manufacturer Part Number=RC0603FR-074K7L, Military Standard=Not, Number of Pins=2, Packaging="Tape and Reel", Pricing 1="1 = 0,10000, 10 = 0,01800, 50 = 0,01800, 100 = 0,00600, 1000 = 0,00500, 10000 = 0,00300 (USD)", REACH SVHC="No SVHC", RoHS=Yes, Stock 1=3735049, Supplier 1=Mouser, Termination=SMD/SMT, Voltage Rating (DC)=50V, Width=0.8mm
R42: library part RC0603FR-0710R2L, "RES SMD 10.2 OHM 1% 1/10W 0603", Case Code (Imperial)=0603, Case Code (Metric)=1608, Manufacturer 1=Yageo, Max Operating Temperature=155°C, Min Operating Temperature=-55°C, Power Rating=100mW, Resistance=10.2R, Supplier Part Number 1=603-RC0603FR-0710R2L, Temperature Coefficient=100ppm/°C, Tolerance=1%, Voltage Rating=50V, Case/Package=0603, ComponentLink1Description=https://datasheet.ciiva.com/12575/rc0603-272842-12575110.pdf?src-supplier=Mouser, ComponentLink1URL=https://datasheet.ciiva.com/12575/rc0603-272842-12575110.pdf?src-supplier=Mouser, Composition="Thick Film", Contact Plating=Tin, Depth=0.8mm, Height=0.45mm, Lead Free="Lead Free", Length=1.6mm, Manufacturer Part Number 1=RC0603FR-0710R2L, Military Standard=Not, Packaging="Tape and Reel", Pricing 1="1=0.10000, 10=0.01800, 50=0.01800, 100=0.00600, 1000=0.00500, 5000=0.00300, 10000=0.00300, 50000=0.00200 (USD)", Radiation Hardening=No, RoHS=Yes, Stock 1=27905, Supplier 1=Mouser, Termination=SMD/SMT, Voltage Rating (DC)=50V, Width=0.8mm
R58: library part RT0603FRE07910KL, "High Precision-High Stability Chip Resistor Thin Film 0603 910kOhm 1% Paper T/R", Manufacturer=Yageo, Supplier Part Number 1=603-RT0603FRE07910KL, Category="Chip SMD Resistors", Manufacturer Part Number=RT0603FRE07910KL, Pricing 1="1=0,10000, 10=0,07000, 50=0,07000, 100=0,02900, 1000=0,01300, 10000=0,00800 (USD)", RoHS=Yes, RoHS Compliant=Yes, Stock 1=4473, Supplier 1=Mouser